# Allegro board BeagleBone_AI-64_Rev_B1_PCB_220602.brd (continued)
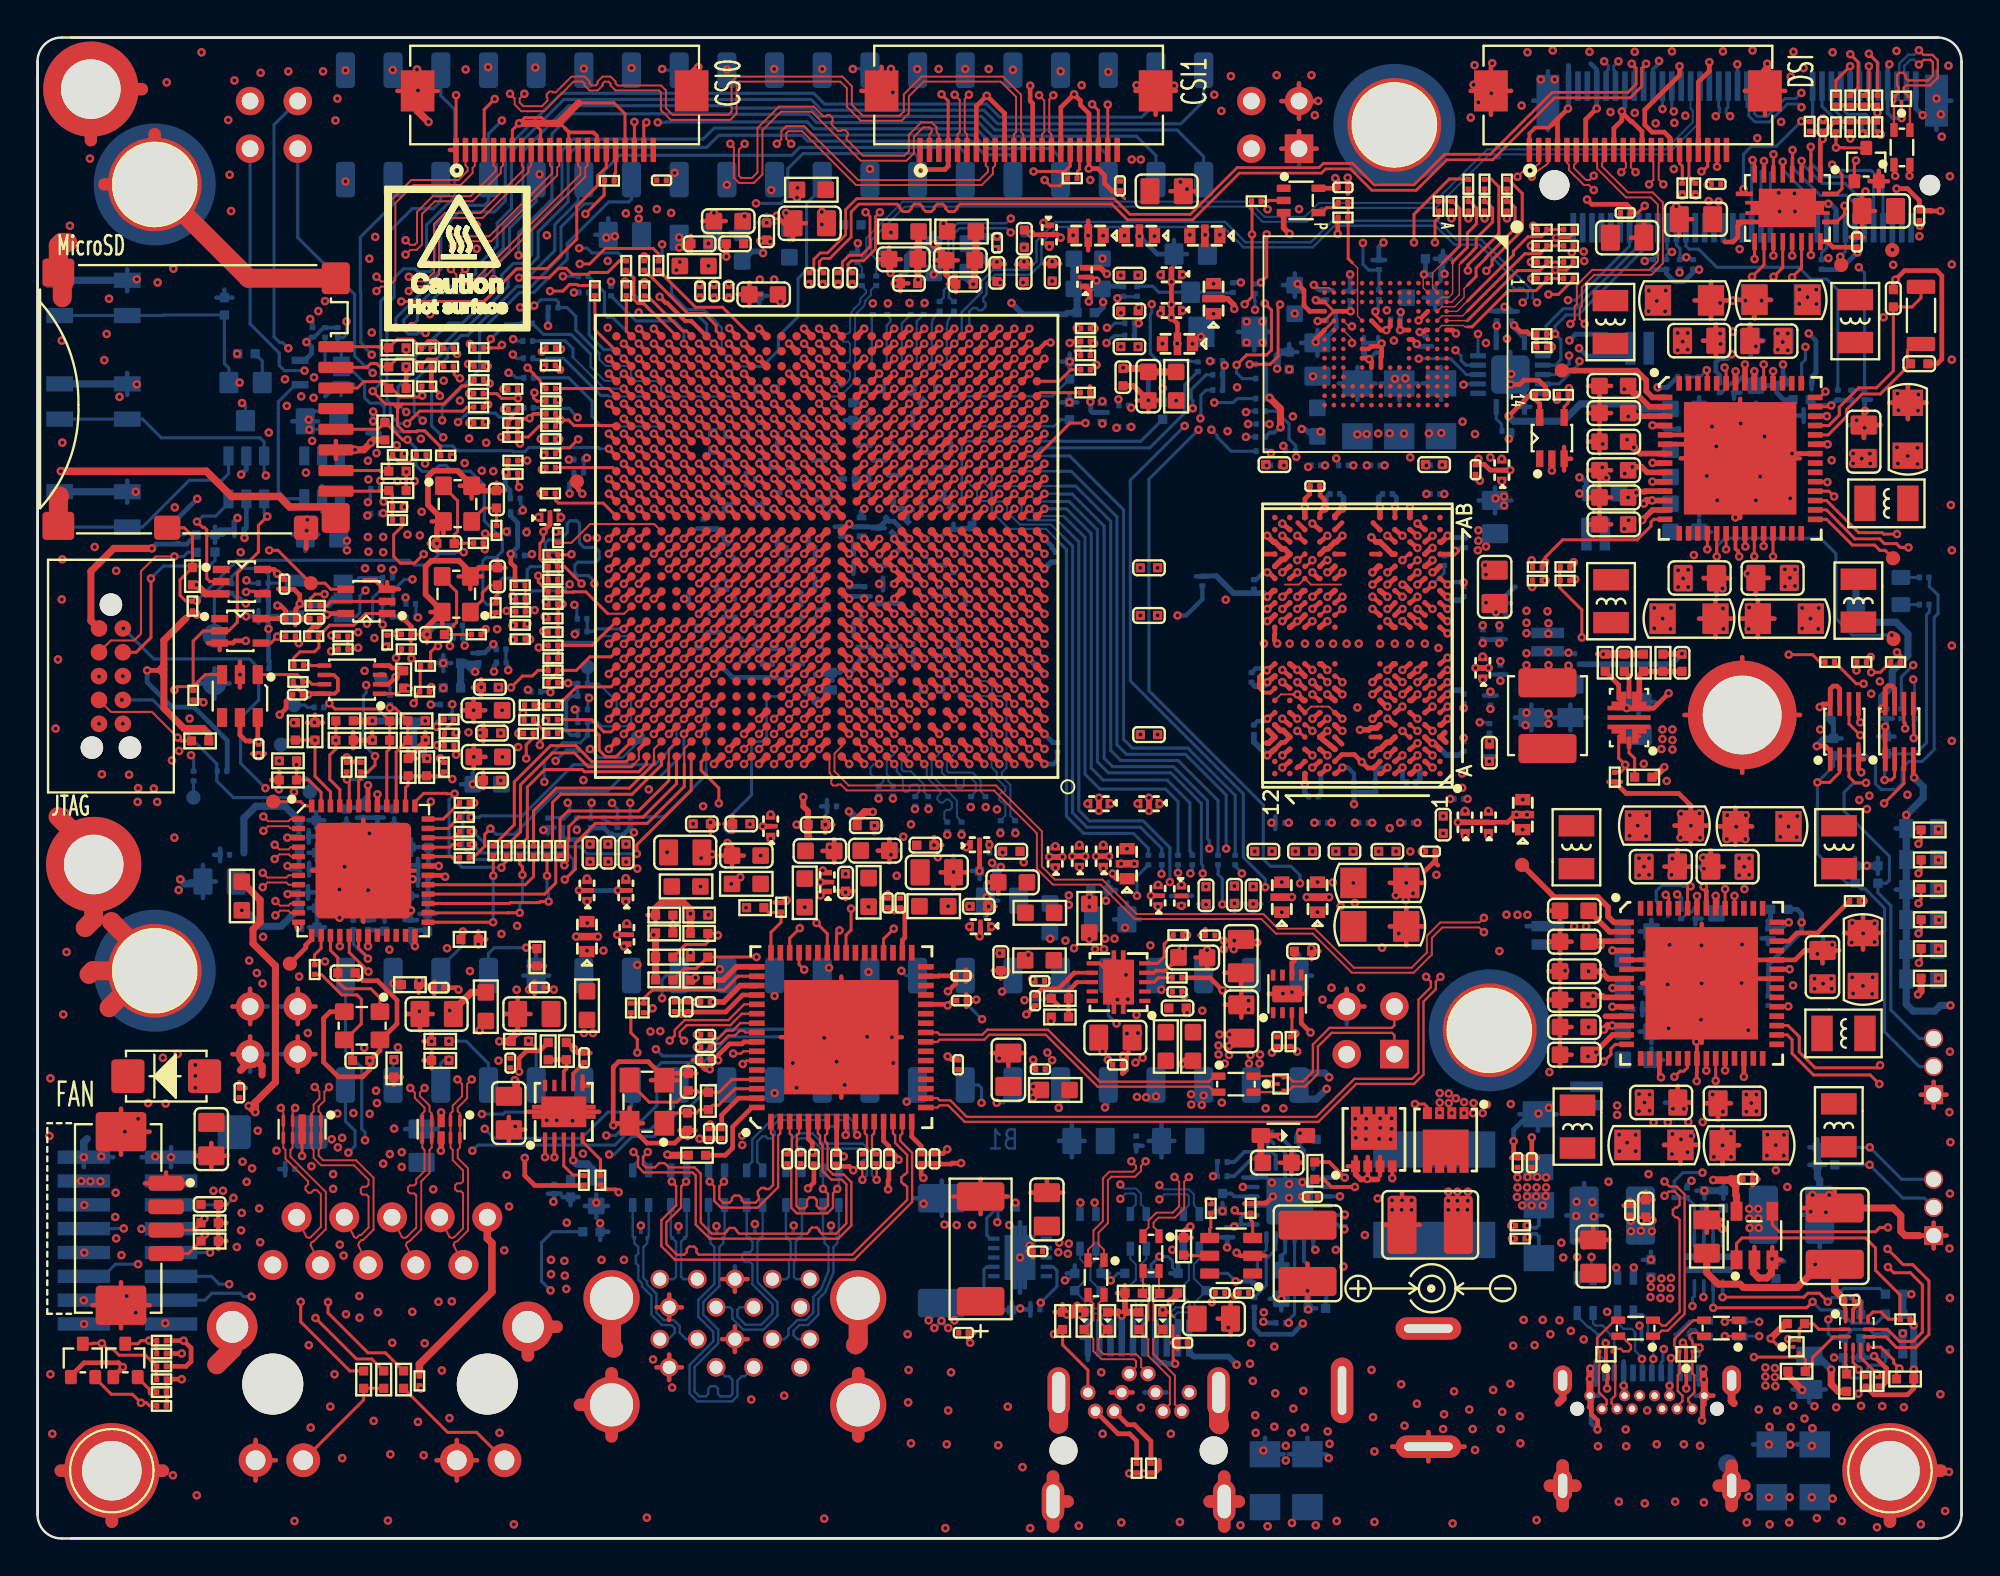
[diagram p0: board, top side]
## Routing (per net, layer and track width the routed paths; a pad name or vN(x,y) marks a point on that pad's centre or on a via; arc(x,y) is an arc through that point) (continued)
DSI_TX1_P: length 93.2
  TOP w0.106: v1(82.9,72.64) 82.67,72.41 82.49,72.41 81.85,73.04 81.85,73.22 81.97,73.34 J16.6
  TOP w0.165: v1(44.04,42.88) 43.64,43.28 U19.C13
  L3-SIGNAL w0.103: v1(44.04,42.88) 44.04,42.59 44.48,42.15 44.48,40.98 44.69,40.78 44.69,40.63 44.69,40.44 45.29,39.84 45.74,39.84 46.03,39.56 46.03,38.99 45.37,38.33 45.37,37.09 46.25,36.22 46.25,36.06 46.53,35.78 46.69,35.78 46.83,35.63 46.83,35.5 47.14,35.19 47.27,35.19 47.85,34.61 52.32,34.61 53.97,32.96 59.91,32.96 60.02,32.86 60.02,32.53 60.3,32.25 60.76,32.25 61.04,32.53 61.04,32.86 61.14,32.96 61.35,32.96 61.45,32.86 61.45,32.53 61.73,32.25 62.19,32.25 62.48,32.53 62.48,32.86 62.58,32.96 62.79,32.96 62.89,32.86 62.89,32.53 63.17,32.25 63.63,32.25 63.91,32.53 63.91,32.86 64.02,32.96 64.89,32.96 65.2,32.66 72.59,32.66 74.55,34.61 80.01,34.61 82.09,36.69 82.09,44.09 84.12,46.12 84.12,52.62 82.82,53.93 82.82,58.54 85.43,61.15 85.43,62.18 85.19,62.42 85.19,69.61 83.89,70.91 83.89,72.08 83.56,72.41 83.13,72.41 v1(82.9,72.64)
DSI_TX2_N: length 92.9
  TOP w0.106: J16.11 84.47,73.48 84.62,73.34 84.62,73.08 v1(84.37,72.83)
  TOP w0.165: v1(44.04,42.08) 43.64,42.48 U19.B13
  L3-SIGNAL w0.103: v1(44.04,42.08) 44.04,41.79 43.61,41.36 43.61,40.68 43.97,40.33 43.97,36.34 44.65,35.65 44.65,35.25 44.56,35.15 44.56,35.01 44.71,34.86 44.85,34.86 44.95,34.96 45.35,34.96 47.02,33.28 52.02,33.28 54.33,30.98 69.58,30.98 69.68,31.08 69.68,31.38 69.96,31.67 70.42,31.67 70.7,31.38 70.7,31.08 70.81,30.98 72.03,30.98 74.98,33.93 80.34,33.93 82.88,36.47 82.88,43.73 84.99,45.84 84.99,52.06 87.02,54.09 87.02,61.74 86.1,62.65 86.1,64.23 87.1,65.23 87.1,66.68 86.31,67.48 86.31,69.33 84.57,71.07 84.57,72.63 v1(84.37,72.83)
DSI_TX2_P: length 93
  TOP w0.106: J16.12 84.97,73.46 84.88,73.37 84.88,73.08 v1(85.13,72.83)
  TOP w0.165: v1(43.24,41.28) 43.24,41.28 42.84,41.68 U19.A14
  L3-SIGNAL w0.103: v1(43.24,41.28) 43.3,41.21 43.3,40.56 43.66,40.2 43.66,36.21 44.35,35.52 44.35,35.38 44.25,35.28 44.25,34.88 44.58,34.56 44.98,34.56 45.07,34.65 45.22,34.65 46.89,32.98 51.9,32.98 54.2,30.67 69.7,30.67 69.98,30.96 69.98,31.26 70.09,31.36 70.29,31.36 70.4,31.26 70.4,30.96 70.68,30.67 72.16,30.67 75.11,33.62 80.46,33.62 83.18,36.34 83.18,43.6 85.29,45.71 85.29,51.93 87.32,53.97 87.32,61.87 86.41,62.78 86.41,64.1 87.41,65.1 87.41,66.81 86.61,67.61 86.61,69.46 84.88,71.19 84.88,72.57 v1(85.13,72.83)
DSI_TX3_N: length 94.1
  TOP w0.106: U19.B14 42.84,42.22 42.46,41.84 42.46,40.9 43.22,40.14 51.06,40.14 53.51,37.69 53.51,35.81 54.2,35.12 56.73,35.12 58.57,33.28 65.31,33.28 66.09,32.5 68.04,32.5 70.13,30.42 73.2,30.42 74.01,31.23 74.01,32.12 74.72,32.83 76.81,32.83 v1(77.05,33.08) ; J16.14 85.97,73.48 86.08,73.37 86.08,72.41 v1(85.85,72.18)
  L3-SIGNAL w0.103: v1(77.05,33.08) 77.28,32.85 80.81,32.85 83.87,35.91 83.87,42.84 86.13,45.1 86.13,47.09 87.39,48.35 87.39,49.75 86.73,50.41 86.73,52.12 88.11,53.51 88.11,62.78 88.88,63.55 88.88,64.2 88.78,64.3 88.77,64.3 88.67,64.4 88.67,64.61 88.77,64.71 88.78,64.71 88.88,64.82 88.88,65.02 88.78,65.13 88.77,65.13 88.67,65.23 88.67,65.44 88.77,65.54 88.78,65.54 88.88,65.64 88.88,68.38 86.08,71.19 86.08,71.95 v1(85.85,72.18)
DSI_TX3_P: length 94.1
  TOP w0.106: v1(86.61,72.18) 86.37,72.42 86.37,73.33 86.47,73.44 J16.15 ; v1(77.05,32.32) 76.81,32.57 74.84,32.57 74.28,32.01 74.28,31.12 73.31,30.15 70.02,30.15 67.93,32.24 65.98,32.24 65.2,33.02 58.46,33.02 56.62,34.85 54.09,34.85 53.24,35.7 53.24,37.58 50.95,39.87 43.11,39.87 42.79,40.19 42.64,40.19 42.58,40.13 42.39,40.13 42.28,40.24 42.28,40.43 42.34,40.49 42.34,40.64 42.19,40.79 42.19,41.53 U19.A15
  L3-SIGNAL w0.103: v1(86.61,72.18) 86.38,71.95 86.38,71.31 89.19,68.51 89.19,63.43 88.42,62.65 88.42,53.38 87.03,52 87.03,50.54 87.69,49.88 87.69,48.23 86.43,46.97 86.43,44.97 84.17,42.71 84.17,35.78 80.94,32.55 77.28,32.55 v1(77.05,32.32)
DSI_TXCLK_N: length 93
  TOP w0.106: v1(81.66,64.74) 81.89,64.96 81.89,65.67 82,65.79 82,66.8 82.82,67.62 85.86,67.62 86.32,68.08 86.32,71.1 85.94,71.48 84.62,71.48 83.08,73.02 83.08,73.35 82.97,73.45 J16.8
  TOP w0.165: U19.E10 v1(46.44,44.48)
  L3-SIGNAL w0.103: v1(81.66,64.74) 81.89,64.51 81.89,64.2 82.83,63.26 82.83,62.03 82.64,61.84 82.49,61.84 82.43,61.9 82.28,61.9 82.13,61.76 82.13,61.61 82.2,61.54 82.2,61.4 79.88,59.08 79.88,53.2 80.87,52.21 80.87,50.63 81.15,50.35 81.45,50.35 81.56,50.24 81.56,50.04 81.45,49.93 81.15,49.93 80.87,49.65 80.87,49.19 81.15,48.91 81.45,48.91 81.56,48.81 81.56,48.6 81.45,48.5 81.15,48.5 80.87,48.22 80.87,46.35 79.73,45.2 79.73,37.76 79.04,37.08 74.52,37.08 74.14,37.46 65.14,37.46 65.04,37.56 65.04,38.09 64.75,38.37 64.3,38.37 64.01,38.09 64.01,37.56 63.91,37.46 63.7,37.46 63.6,37.56 63.6,38.09 63.32,38.37 62.86,38.37 62.58,38.09 62.58,37.56 62.47,37.46 61.97,37.46 61.75,37.68 60.58,37.68 60.48,37.79 60.48,38.09 60.2,38.37 59.74,38.37 59.46,38.09 59.46,37.79 59.35,37.68 59.15,37.68 59.04,37.79 59.04,38.09 58.76,38.37 58.3,38.37 58.02,38.09 58.02,37.79 57.92,37.68 57.71,37.68 57.61,37.79 57.61,38.09 57.32,38.37 56.86,38.37 56.58,38.09 56.58,37.79 56.48,37.68 56.27,37.68 56.17,37.79 56.17,38.09 55.89,38.37 55.43,38.37 55.15,38.09 55.15,37.79 55.04,37.68 54.53,37.68 54.21,38.01 54.21,38.15 54.24,38.18 54.24,38.33 54.09,38.48 53.95,38.48 53.92,38.45 53.77,38.45 53.62,38.59 53.62,38.74 53.66,38.77 53.66,38.92 53.51,39.06 53.36,39.06 53.33,39.03 53.19,39.03 52.22,40 48.66,40 48.13,40.53 48.13,40.86 48.4,41.13 48.4,42.23 48.11,42.52 47.89,42.52 47.68,42.73 47.68,42.95 47.39,43.24 47.02,43.24 46.8,43.46 46.8,44.12 v1(46.44,44.48)
DSI_TXCLK_P: length 93
  TOP w0.106: J16.9 83.47,73.46 83.35,73.33 83.35,73.13 84.73,71.75 86.05,71.75 86.59,71.21 86.59,67.97 85.97,67.35 82.93,67.35 82.27,66.69 82.27,65.68 82.15,65.56 82.15,65 v1(82.42,64.74)
  TOP w0.165: v1(45.64,44.48) 45.24,44.88 U19.E11
  L3-SIGNAL w0.103: v1(82.42,64.74) 82.19,64.51 82.19,64.33 83.13,63.39 83.13,61.9 80.19,58.96 80.19,53.33 81.18,52.34 81.18,50.76 81.28,50.65 81.58,50.65 81.86,50.37 81.86,49.91 81.58,49.63 81.28,49.63 81.18,49.53 81.18,49.32 81.28,49.22 81.58,49.22 81.86,48.93 81.86,48.47 81.58,48.19 81.28,48.19 81.18,48.09 81.18,46.22 80.03,45.08 80.03,37.63 79.17,36.77 74.4,36.77 74.01,37.15 65.01,37.15 64.73,37.43 64.73,37.96 64.63,38.07 64.42,38.07 64.32,37.96 64.32,37.43 64.04,37.15 63.58,37.15 63.3,37.43 63.3,37.96 63.19,38.07 62.98,38.07 62.88,37.96 62.88,37.43 62.6,37.15 61.85,37.15 61.62,37.38 60.46,37.38 60.17,37.66 60.17,37.96 60.07,38.07 59.86,38.07 59.76,37.96 59.76,37.66 59.48,37.38 59.02,37.38 58.74,37.66 58.74,37.96 58.63,38.07 58.43,38.07 58.32,37.96 58.32,37.66 58.04,37.38 57.58,37.38 57.3,37.66 57.3,37.96 57.2,38.07 56.99,38.07 56.89,37.96 56.89,37.66 56.61,37.38 56.15,37.38 55.86,37.66 55.86,37.96 55.76,38.07 55.55,38.07 55.45,37.96 55.45,37.66 55.17,37.38 54.41,37.38 52.09,39.69 48.54,39.69 47.83,40.4 47.83,40.86 47.62,41.06 47.62,42.21 47.31,42.52 47.09,42.52 46.88,42.73 46.88,42.95 46.58,43.25 46.36,43.25 46.08,43.53 46.08,44.04 v1(45.64,44.48)
DSI_TXRCALIB: length 0.6
  TOP w0.229: U19.F12 44.44,45.68 v1(44.84,45.28)
E22_WKUP_GPIO0_37: length 63.3
  TOP w0.229: v1(36.03,44.48) 36.43,44.88 U19.E22
  L3-SIGNAL w0.102: v1(2.46,12.69) 3.88,14.11 11.45,14.11 14.3,11.27 21.56,11.27 24.78,14.48 27.62,14.48 v1(28.09,14.01)
  L10-SIGNAL w0.102: v1(36.03,44.48) 36.03,43.04 35.41,42.41 35.41,39.62 32.92,37.13 32.92,34 32.33,33.42 32.33,30.4 31.27,29.33 31.27,26.9 29.92,25.56 29.92,19.57 29.26,18.91 29.26,15.11 28.16,14.01 v1(28.09,14.01)
E24_MCU_BOOTMODE01: length 12.9
  TOP w0.229: v1(34.43,44.48) 34.83,44.88 U19.E24
  L12-SIGNAL w0.102: v1(28.24,39.22) 28.24,39.61 28.01,39.84 28.01,41.82 29.44,43.24 31.3,43.24 31.59,43.53 31.59,43.75 31.92,44.07 32.72,44.07 32.72,44.08 34.03,44.08 v1(34.43,44.48)
  BOTTOM w0.165: 28.01,38.43 28.12,38.43 28.35,38.66 28.35,39.13 28.24,39.23 v1(28.24,39.22) ; 28.01,38.43 27.99,38.4 R121.2 ; 28.01,38.43 27.2,38.43 R126.1
E26_MCU_I3C0_SDAPULLEN: length 14
  TOP w0.165: v1(22.32,42.97) 22.26,42.9 22.21,42.9
  TOP w0.229: v1(32.83,44.48) 33.23,44.88 U19.E26
  L3-SIGNAL w0.102: v1(22.32,42.97) 23.06,43.7 24.83,43.7 25.9,44.77 26.95,44.77 27.03,44.69 27.33,44.69 27.34,44.7 28.6,44.7 29.11,45.2 30.43,45.2 30.91,45.69 32.98,45.69 33.23,45.44 33.23,45.12 32.89,44.78 32.89,44.53 v1(32.83,44.48)
E27_MCU_BOOTMODE00: length 8.7
  TOP w0.229: v1(32.03,44.48) 32.04,44.48 U19.E27
  L3-SIGNAL w0.102: v1(32.03,44.48) 32.03,44.24 31.64,43.84 31.64,43.53 31.38,43.27 31.07,43.27 30.84,43.04 30.84,40.54 v1(29.52,39.22)
  BOTTOM w0.165: R120.1 28.73,38.43 29.48,38.43 ; R107.2 29.48,38.43 ; 29.48,38.43 29.48,39.18 v1(29.52,39.22)
E28_MCU_BOOTMODE02: length 3.7
  TOP w0.229: U19.E28 31.63,44.88 v1(31.23,44.48)
  L12-SIGNAL w0.102: v1(29.39,44.8) 30.06,44.12 30.87,44.12 v1(31.23,44.48)
  BOTTOM w0.165: v1(29.39,44.8) 29.39,44.84 29.32,44.91 29.32,44.19 R113.1
EEPROM_WP: length 9.3
  BOTTOM w0.165: 10.34,50.92 9.98,50.92 9.42,50.36 TP15.1 ; 10.34,50.92 R377.1 ; 10.34,50.92 10.34,51.26 10.79,51.71 11.96,51.71 12.31,51.36 12.31,50.93 ; 12.31,50.93 12.85,50.93 12.98,51.06 U7.5 ; 12.31,50.93 R156.1 ; 12.31,50.93 12.31,50.65 12.16,50.51 11.88,50.51 11.75,50.39 11.75,50.03 R155.2
EMMC_CLK: length 36.6
  TOP w0.076: U26.M6 70.03,63.95 v1(70.03,63.72)
  TOP w0.165: v1(56.41,62.55) 56.16,62.3 R305.2
  L3-SIGNAL w0.102: v1(70.03,63.72) 70.99,63.72 71.42,63.29 72.44,63.29 73.58,62.15 73.58,60.16 73.18,59.76 72.74,59.76 72.64,59.86 72.64,60.77 72.54,60.88 72.33,60.88 72.23,60.77 72.23,59.86 72.13,59.76 71.93,59.76 71.82,59.86 71.82,60.77 71.72,60.88 71.52,60.88 71.42,60.77 71.42,59.86 71.32,59.76 71.11,59.76 71.01,59.86 71.01,60.77 70.91,60.88 70.71,60.88 70.61,60.77 70.61,59.86 70.5,59.76 70.3,59.76 70.2,59.86 70.2,60.77 70.1,60.88 69.89,60.88 69.79,60.77 69.79,59.86 69.69,59.76 69.24,59.76 67.18,61.81 67.18,63.85 66.8,64.23 63.4,64.23 62.3,63.14 57.4,63.14 56.82,62.55 v1(56.41,62.55)
EMMC_CMD: length 31.9
  TOP w0.076: U26.M5 69.86,64.61 v1(70.03,64.61)
  TOP w0.165: R304.2 56.11,63.06 56.11,63.79 56.18,63.79 v1(56.28,63.69)
  L3-SIGNAL w0.102: v1(56.28,63.69) 56.28,63.29 56.39,63.19 57,63.19 57.34,63.53 57.34,63.89 57.63,64.18 57.99,64.18 58.19,63.97 58.39,63.97 58.6,64.18 58.95,64.18 59.05,64.08 59.05,63.67 59.18,63.54 59.36,63.54 59.46,63.64 59.46,64.08 59.56,64.18 61.31,64.18 61.84,64.7 63.01,64.7 63.11,64.8 63.11,65.09 63.21,65.19 63.42,65.19 63.52,65.09 63.52,64.8 63.62,64.7 64.05,64.7 64.26,64.49 66,64.49 66.1,64.6 66.1,65.29 66.2,65.4 66.4,65.4 66.5,65.29 66.5,64.6 66.59,64.51 66.6,64.51 67.16,64.51 67.34,64.69 67.34,65.29 67.44,65.4 67.73,65.4 67.83,65.29 67.83,64.42 67.99,64.25 68.37,64.25 68.5,64.13 68.5,61.74 68.96,61.28 71.55,61.28 71.7,61.43 71.7,61.94 71.45,62.2 69.67,62.2 69.37,62.5 69.37,64.35 69.62,64.61 v1(70.03,64.61)
EMMC_DAT0: length 7.4
  TOP w0.076: U26.A3 75.35,65.91 75.74,66.3 75.74,67.9 75.83,67.99
  TOP w0.165: 77.09,71.29 77.14,71.29 77.52,70.91 77.52,70.17 76.64,69.3 76.64,68.81 76.5,68.67 76.5,68.66 75.83,67.99 ; 77.09,71.29 R325.2 ; 77.09,71.29 R326.2
EMMC_DAT1: length 8.2
  TOP w0.076: U26.A4 75.63,65.41 76.17,65.96
  TOP w0.165: R333.2 80.41,69.77 80.43,69.75 ; R340.2 80.43,69.77 80.43,69.75 ; 80.43,69.75 80.43,69.7 80.11,69.38 79.4,69.38 78.62,68.61 78.62,68.41 76.17,65.96
EMMC_DAT2: length 7.6
  TOP w0.076: 76.17,64.91 U26.A5
  TOP w0.165: 76.17,64.91 78.84,67.58 80.03,67.58 80.43,67.98 80.43,68.03 ; 80.43,68.03 R342.2 ; 80.43,68.03 R335.2
EMMC_DAT3: length 6.5
  TOP w0.076: U26.B2 74.32,66.65 74.32,67.45 74.85,67.99
  TOP w0.165: R321.2 74.63,71.29 75.34,71.29 75.37,71.27 ; 74.85,67.99 75.77,68.9 75.77,70.88 75.38,71.27 75.37,71.27 ; 75.37,71.27 R322.2
EMMC_DAT4: length 7.3
  TOP w0.076: U26.B3 74.81,66.16 75.18,66.16 75.39,66.36 75.39,67.99
  TOP w0.165: R324.2 76.22,71.29 ; 76.22,71.29 76.27,71.29 76.66,70.91 76.66,70.07 76.17,69.59 76.17,68.83 75.39,68.04 75.39,67.99 ; 76.22,71.29 R323.2
EMMC_DAT5: length 8.9
  TOP w0.076: 76.17,66.8 75.99,66.62 75.99,66.16 75.49,65.65 74.8,65.65 U26.B4
  TOP w0.165: R327.2 78.28,71.29 ; 78.28,71.29 78.35,71.29 78.71,70.93 78.71,69.83 77.16,68.27 77.16,68.23 76.64,67.71 76.64,67.26 76.17,66.8 ; 78.28,71.29 R328.2
EMMC_DAT6: length 8.4
  TOP w0.076: U26.B5 74.82,65.17 75.92,65.17 76.17,65.42
  TOP w0.165: 80.43,68.9 R341.2 ; 80.43,68.9 R334.2 ; 80.43,68.9 80.43,68.87 80.04,68.48 79.23,68.48 76.17,65.42
EMMC_DAT7: length 8
  TOP w0.076: U26.B6 74.8,64.65 75.96,64.65 76.04,64.58 76.17,64.58
  TOP w0.165: 80.43,67.14 80.41,67.16 R336.2 ; 80.43,67.14 80.43,67.16 R343.2 ; 80.43,67.14 80.43,67.11 79.83,66.51 78.36,66.51 76.42,64.58 76.17,64.58
EMMC_DS: length 1.3
  TOP w0.165: v1(71.27,65.4) 71.27,65.2 U26.H5
  BOTTOM w0.165: v1(71.27,65.4) 71.42,65.55 71.42,65.97 71.46,66.01 R41.1
EMMC_RESET: length 6.6
  TOP w0.076: 70.05,67.99 70.32,67.72 70.32,65.15 U26.K5
  TOP w0.165: R320.2 69.81,70.41 69.82,70.43 ; 69.82,70.43 69.82,68.22 70.05,67.99 ; 69.82,70.43 69.82,71.19 R319.2
EMMC_VCCI: length 2.3
  TOP w0.076: v1(73.86,67.38) 73.82,67.34 73.82,66.65 U26.C2
  BOTTOM w0.165: C63.1 74.21,67.36
  BOTTOM w0.254: C66.1 73.94,67.46 v1(73.86,67.38) 73.88,67.36 74.21,67.36
EN_1V1: length 2.6
  TOP w0.165: 60.48,32.14 60.02,31.69 60.02,31 59.67,30.65 U18.5 ; 60.48,32.14 60.49,32.16 R276.2 ; 60.48,32.14 60.48,32.16
EN_2V5: length 2.4
  TOP w0.165: R163.2 29.99,20.2 29.03,21.15 U9.5
EN_3V3IO_LDSW: length 26.1
  TOP w0.165: U23.3 66.82,27.1 v1(67,26.92) 66.85,26.76 66.75,26.76 R317.1 ; U29.53 86.9,34.14 v1(86.74,34.31)
  L10-SIGNAL w0.102: v1(67,26.92) 67,28.34 68.76,30.09 71.42,30.09 73.15,31.82 80.47,31.82 81.84,33.19 85.9,33.19 86.46,33.75 86.46,34.03 v1(86.74,34.31)
EN_DDR_BUCK: length 16.5
  TOP w0.165: U28.8 84.23,41.59 v1(84.58,41.24) 84.58,41.09 84.35,40.86 84.02,40.86 R345.1 ; U29.46 v1(90.4,34.25)
  L5-SIGNAL w0.102: v1(90.4,34.25) 89.92,33.77 88.03,33.77 87.73,34.08 87.73,34.51 87.42,34.81 84.88,34.81 84.05,35.65 84.05,40.71 v1(84.58,41.24)
EN_DRV_OUT: length 5
  TOP w0.165: U30.29 95.31,54.32 96.68,52.95 97.86,52.95 98.15,52.67 98.43,52.67 TP14.1
EN_LM5141_ON: length 3.7
  BOTTOM w0.165: U3.23 65.96,15.41 65.45,14.9 65.45,13.48 64.82,12.84 R56.2
EXP_USB1_DN4_D_N: length 10.7
  TOP w0.13: L14.2 66.3,24.64 D40.3 66.67,24.57 66.87,24.36 67.42,24.36 67.94,24.88 67.94,26.33 68.83,27.22 72.15,27.22 72.28,27.35 P9.E2
EXP_USB1_DN4_D_P: length 10.7
  TOP w0.13: P9.E1 72.28,26.82 72.15,26.95 68.94,26.95 68.21,26.22 68.21,24.77 67.53,24.09 66.87,24.09 66.67,23.89 D40.2 66.28,23.79 L14.3
F25_MCU_BOOTMODE04: length 67.8
  TOP w0.229: U19.F25 33.64,45.28 v1(33.63,45.28)
  L5-SIGNAL w0.102: v1(4.6,16.53) 4.6,19.42 9.45,24.27 9.45,29.15 9.73,29.43 9.73,32.05 8.74,33.04 8.74,37.99 6.09,40.63 6.09,42.99 9.55,46.45 13.05,46.45 13.64,45.86 17.88,45.86 18.51,46.5 20.39,46.5 20.98,47.08 22.25,47.08 v1(22.76,47.59)
  L12-SIGNAL w0.102: v1(22.76,47.59) 23.84,47.59 24.13,47.3 26.12,47.3 26.31,47.11 28.14,47.11 29.13,48.1 33.86,48.1 34.06,47.9 34.06,45.71 v1(33.63,45.28)
  BOTTOM w0.165: R139.2 22.65,48.01 22.66,48.02 ; 22.66,48.02 22.66,48.66 R140.1 ; 22.66,48.02 22.67,48.01 22.67,47.67 v1(22.76,47.59) ; J10.9 4.06,16.51 4.07,16.53 v1(4.6,16.53)
F26_MCU_BOOTMODE03: length 100.4
  TOP w0.165: R247.2 25.92,44.42 25.92,44.05 v1(25.86,43.98) 25.89,43.95 25.89,43.63 R246.1
  TOP w0.229: v1(32.83,45.28) 33.23,45.68 U19.F26
  L3-SIGNAL w0.102: v1(2.49,15.23) 2.87,15.61 9.41,15.61 9.49,15.54 v1(10.62,15.54)
  L5-SIGNAL w0.102: v1(32.83,45.28) 32.47,44.92 30.35,44.92 29.25,43.82 28.47,43.82 28.31,43.98 v1(25.86,43.98) 25.25,44.59 23.07,44.59 22.76,44.9 20.83,44.9 20.55,44.62 20.55,44.42 20.19,44.06 19.66,44.06 18.95,44.77 18.24,44.77 18.08,44.62 17.09,44.62 16.99,44.72 16.89,44.72 16.53,45.08 15.21,45.08 14.65,44.52 10.74,44.52 9.93,43.7 v1(8.1,43.7)
  L10-SIGNAL w0.102: v1(10.62,15.54) 12.24,17.16 12.24,20.08 10.36,21.96 10.36,28.69 10.54,28.87 10.54,32.25 9.12,33.67 9.12,43.2 8.61,43.7 v1(8.1,43.7) 7.82,43.98 7.82,50.79 9.88,52.85 9.88,55.67 10.34,56.13 10.34,61.18 v1(10.77,61.61)
  BOTTOM w0.165: SW1.2 SW1.4 6.68,65.18 6.71,65.21 D52.2 9.95,62.62 10.19,62.38 Q1.1 v1(10.77,61.61)
F27_MCU_SPI1_CS0: length 63.2
  TOP w0.229: v1(32.03,45.28) 32.04,45.28 U19.F27
  L3-SIGNAL w0.102: v1(32.03,45.28) 31.79,45.28 31.4,44.89 30.06,44.89 28.38,43.21 26.81,43.21 26.48,43.54 24.99,43.54 24.93,43.48 23.47,43.48 v1(22.96,42.97)
  L5-SIGNAL w0.102: v1(5.36,14.62) 6.12,15.38 6.12,17.36 10.13,21.37 10.13,28.85 10.41,29.13 10.41,32.36 9.42,33.35 9.42,38.33 6.78,40.97 6.78,42.64 7.44,43.3 9.95,43.3 10.95,44.29 13.69,44.29 13.99,43.98 18.13,43.98 18.29,43.83 20.34,43.83 20.46,43.95 21.38,43.95 21.95,43.37 22.55,43.37 v1(22.96,42.97)
  BOTTOM w0.165: v1(5.36,14.62) 4.16,14.62 3.51,13.97 J10.5
F28_MCU_BOOTMODE05: length 63
  TOP w0.229: U19.F28 31.24,45.28 v1(31.23,45.28)
  L10-SIGNAL w0.102: v1(27,40.33) 27,39.84 26.57,39.41 26.57,37.61 26.69,37.48 26.69,34.99 26.79,34.89 26.79,26.25 26.64,26.1 26.64,17.95 27.35,17.24 v1(27.35,14.85)
  L12-SIGNAL w0.102: v1(27.35,14.85) 24.92,14.85 23.65,13.58 11.73,13.58 9.6,15.71 7.82,15.71 5.76,17.77 v1(2.49,17.77)
  BOTTOM w0.114: 30.02,43.29 31.39,43.29 31.62,43.52 31.62,44.89 v1(31.23,45.28)
  BOTTOM w0.165: 29.32,43.51 29.32,42.81 ; 29.32,43.51 29.81,43.51 30.02,43.29 ; 29.32,43.51 R114.1 ; 29.32,42.81 29.3,42.83 R115.2 ; 29.32,42.81 28.91,42.41 27.96,42.41 27,41.44 v1(27,40.33)
FAN_PWM: length 12.5
  TOP w0.165: v1(8.91,16.2) 8.91,16.15 8.76,15.99 8.76,15.9 D49.2 8.04,15.18 J1.4 ; Q5.3 5.34,10.38 5.51,10.55 v1(5.94,10.55) 6.32,10.55 ; 6.32,10.55 6.32,9.86 R374.2 ; 6.32,10.55 R384.2
  L5-SIGNAL w0.102: v1(8.91,16.2) 7.65,14.93 7.65,11.27 6.92,10.55 v1(5.94,10.55)
FAN_TACH: length 17.9
  TOP w0.165: 6.32,9.19 5.75,9.77 4.34,9.77 4.01,10.1 3.73,10.1 v1(3.43,10.41) 2.96,10.41 2.94,10.38 Q6.3 ; 6.32,9.19 6.34,9.17 R385.2 ; 6.32,9.19 6.32,8.49 R376.2 ; J1.3 8.35,16.43 8.71,16.79 D48.2
  L5-SIGNAL w0.102: v1(3.43,10.41) 4.08,11.06 7.05,11.06 7.41,11.42 7.41,15.59 v1(8.89,17.06)
FB_1V1: length 2.9
  TOP w0.203: U18.8 55.38,29.65
  TOP w0.254: 55.38,29.65 54.93,29.2 R299.1 R277.2
FB_2V5: length 2.4
  TOP w0.203: U9.8 28.03,24.9 28.17,25.04 R164.1
  TOP w0.254: R164.1 R166.2
G22_MCU_UART0_RXD: length 61.5
  TOP w0.229: v1(36.03,46.08) 36.43,46.48 U19.G22
  L3-SIGNAL w0.102: v1(28.17,13.3) 27.76,13.71 24.32,13.71 21.66,11.04 14.17,11.04 11.66,13.55 v1(10.21,13.55)
  L10-SIGNAL w0.102: v1(28.17,13.3) 29.49,14.62 29.49,14.93 32.13,17.57 32.13,24.12 32.51,24.5 32.51,26.41 32.26,26.66 32.26,27.35 32.46,27.55 32.71,27.55 33.65,28.49 33.65,29.23 33.48,29.4 33.48,34.99 36.7,38.22 36.7,40.78 36.42,41.06 36.42,42.38 36.75,42.71 36.75,45.36 v1(36.03,46.08)
  BOTTOM w0.165: v1(10.21,13.55) 9.68,13.55 9.26,13.97 J10.6
G26_MCU_I2C1_SDA: length 14.8
  TOP w0.165: R194.1 19.9,47.38 19.89,47.36 19.89,46.91 v1(19.92,46.91)
  TOP w0.229: U19.G26 32.84,46.08 v1(32.83,46.08)
  L12-SIGNAL w0.102: v1(19.92,46.91) 20.2,46.63 20.2,46.62 20.55,46.27 22.11,46.27 22.61,45.77 25.07,45.77 25.25,45.96 28.78,45.96 29.06,45.69 32.44,45.69 v1(32.83,46.08)
G27_MCU_I2C1_SCL: length 13.2
  TOP w0.165: R200.1 20.94,46.51 20.94,47.25 21.26,47.57 v1(21.33,47.57)
  TOP w0.229: U19.G27 32.43,46.48 v1(32.03,46.08)
  L12-SIGNAL w0.102: v1(32.03,46.08) 31.64,46.47 26.22,46.47 25.86,46.84 22.06,46.84 v1(21.33,47.57)
G29_MCU_BOOTMODE08: length 10.4
  TOP w0.229: U19.G29 30.83,46.48 v1(30.43,46.08)
  L3-SIGNAL w0.102: v1(30.43,46.08) 28.09,46.08 27.84,45.83 26.2,45.83 25.76,45.39 25.76,45.37 25.37,44.99 22.62,44.99 v1(22.1,44.47)
  BOTTOM w0.165: R143.2 22.02,43.77 22.02,43.97 22.1,44.05 v1(22.1,44.47) 22.08,44.45 22,44.45
GRSTZ: length 7.5
  TOP w0.165: U20.50 37.32,29.97 36.57,29.23 32.74,29.23 32.29,28.78 R289.2 R288.2
H27_MCU_TIMER_IO1: length 65.2
  TOP w0.229: U19.H27 32.04,46.88 v1(32.03,46.88)
  L5-SIGNAL w0.102: v1(6.81,11.47) 4.98,13.3 4.98,17.16 9.68,21.86 9.68,29.05 9.95,29.33 9.95,32.15 8.96,33.14 8.96,38.14 6.32,40.78 6.32,42.83 9.12,45.64 16.74,45.64 17.3,45.08 17.87,45.08 18.06,45.26 19.12,45.26 19.48,44.9 19.97,44.9 20.84,45.76 22.22,45.76 23.09,44.9 25.35,44.9 25.76,45.31 25.76,45.39 26.34,45.97 29.34,45.97 29.81,46.44 31.59,46.44 v1(32.03,46.88)
H28_MCU_BOOTMODE09: length 8.6
  TOP w0.229: v1(31.23,46.88) 31.24,46.88 U19.H28
  L3-SIGNAL w0.102: v1(31.23,46.88) 30.85,47.26 28.62,47.26 27.93,46.57 25.36,46.57 v1(25.07,46.28)
  BOTTOM w0.165: R138.1 24.95,46.7 R137.2 24.97,46.7 24.97,46.7 24.98,46.7 24.98,46.61 25.12,46.47 25.12,46.28 v1(25.07,46.28)
H29_MCU_BOOTMODE06: length 4.4
  TOP w0.165: 27.73,46.27 28.7,46.27 29.42,46.99 30.55,46.99 U19.H29 ; 27.73,46.27 R267.1 ; 27.73,46.27 27.73,46.22 27.2,45.69 R268.2
H_DDR_RET_1V1: length 76.2
  TOP w0.165: U29.47 v1(89.9,34.61)
  TOP w0.229: U19.P6 v1(49.64,51.68)
  L5-SIGNAL w0.102: v1(89.9,34.61) 90.27,34.98 92.92,34.98 95.2,37.25 95.2,42.49 94.97,42.71 v1(94.97,43.12) ; v1(69.19,57.57) 69.39,57.78 72.57,57.78 72.72,57.62 v1(73.12,57.62)
  L10-SIGNAL w0.102: v1(73.12,57.62) 74.98,57.62 75.63,56.98 76.79,56.98 77.85,55.92 80.62,55.92 81.86,54.68 90.17,54.68 90.29,54.8 90.6,54.8 90.73,54.68 93.22,54.68 95.88,52.01 95.88,47.54 94.46,46.12 94.46,43.63 v1(94.97,43.12)
  L12-SIGNAL w0.102: v1(69.19,57.57) 69.19,57.18 68.69,56.68 64.52,56.68 64.13,57.07 59.59,57.07 53.8,51.29 50.03,51.29 v1(49.64,51.68)
  BOTTOM w0.165: v1(69.19,57.57) 69.29,57.47 69.29,57.2 R44.2
H_MCU_INT#: length 133.8
  TOP w0.165: R329.2 80.18,51.77 80.18,51.9 v1(80.31,52.04) 80.31,52.29 81.25,53.23 85.21,53.23 85.95,53.97 85.95,54.17 86.1,54.32 U30.14 ; v1(83.44,25.42) 83.82,25.8 83.82,26.11 84.05,26.34 U29.14
  L5-SIGNAL w0.102: v1(80.31,52.04) 79.97,51.69 79.97,50.89 79.99,50.87 79.99,49.68 79.83,49.52 79.83,36.17 84.33,31.67 84.33,26.31 v1(83.44,25.42) ; v1(83.69,19.02) 83.61,19.09 81.25,19.09 80.49,19.85 66.9,19.85 64.72,22.04 56.77,22.04 54.35,19.62 45.62,19.62 45.21,20.03 43.25,20.03 42.84,19.62 32.94,19.62 32.4,19.08 25.28,19.08 v1(24.99,19.37)
  L10-SIGNAL w0.102: v1(26.13,45.24) 26.13,44.24 26.22,44.14 26.22,42.12 26.46,41.88 26.46,41.01 26.26,40.81 26.26,39.77 26.11,39.62 26.11,37.41 26.24,37.28 26.24,35.12 25.14,34.03 25.14,26.92 24.99,26.76 v1(24.99,19.37) ; v1(83.69,19.02) 83.69,24.77 83.44,25.02 v1(83.44,25.42)